# Altium PCB BW1097.PcbDoc (part 3 of 7) (continued)
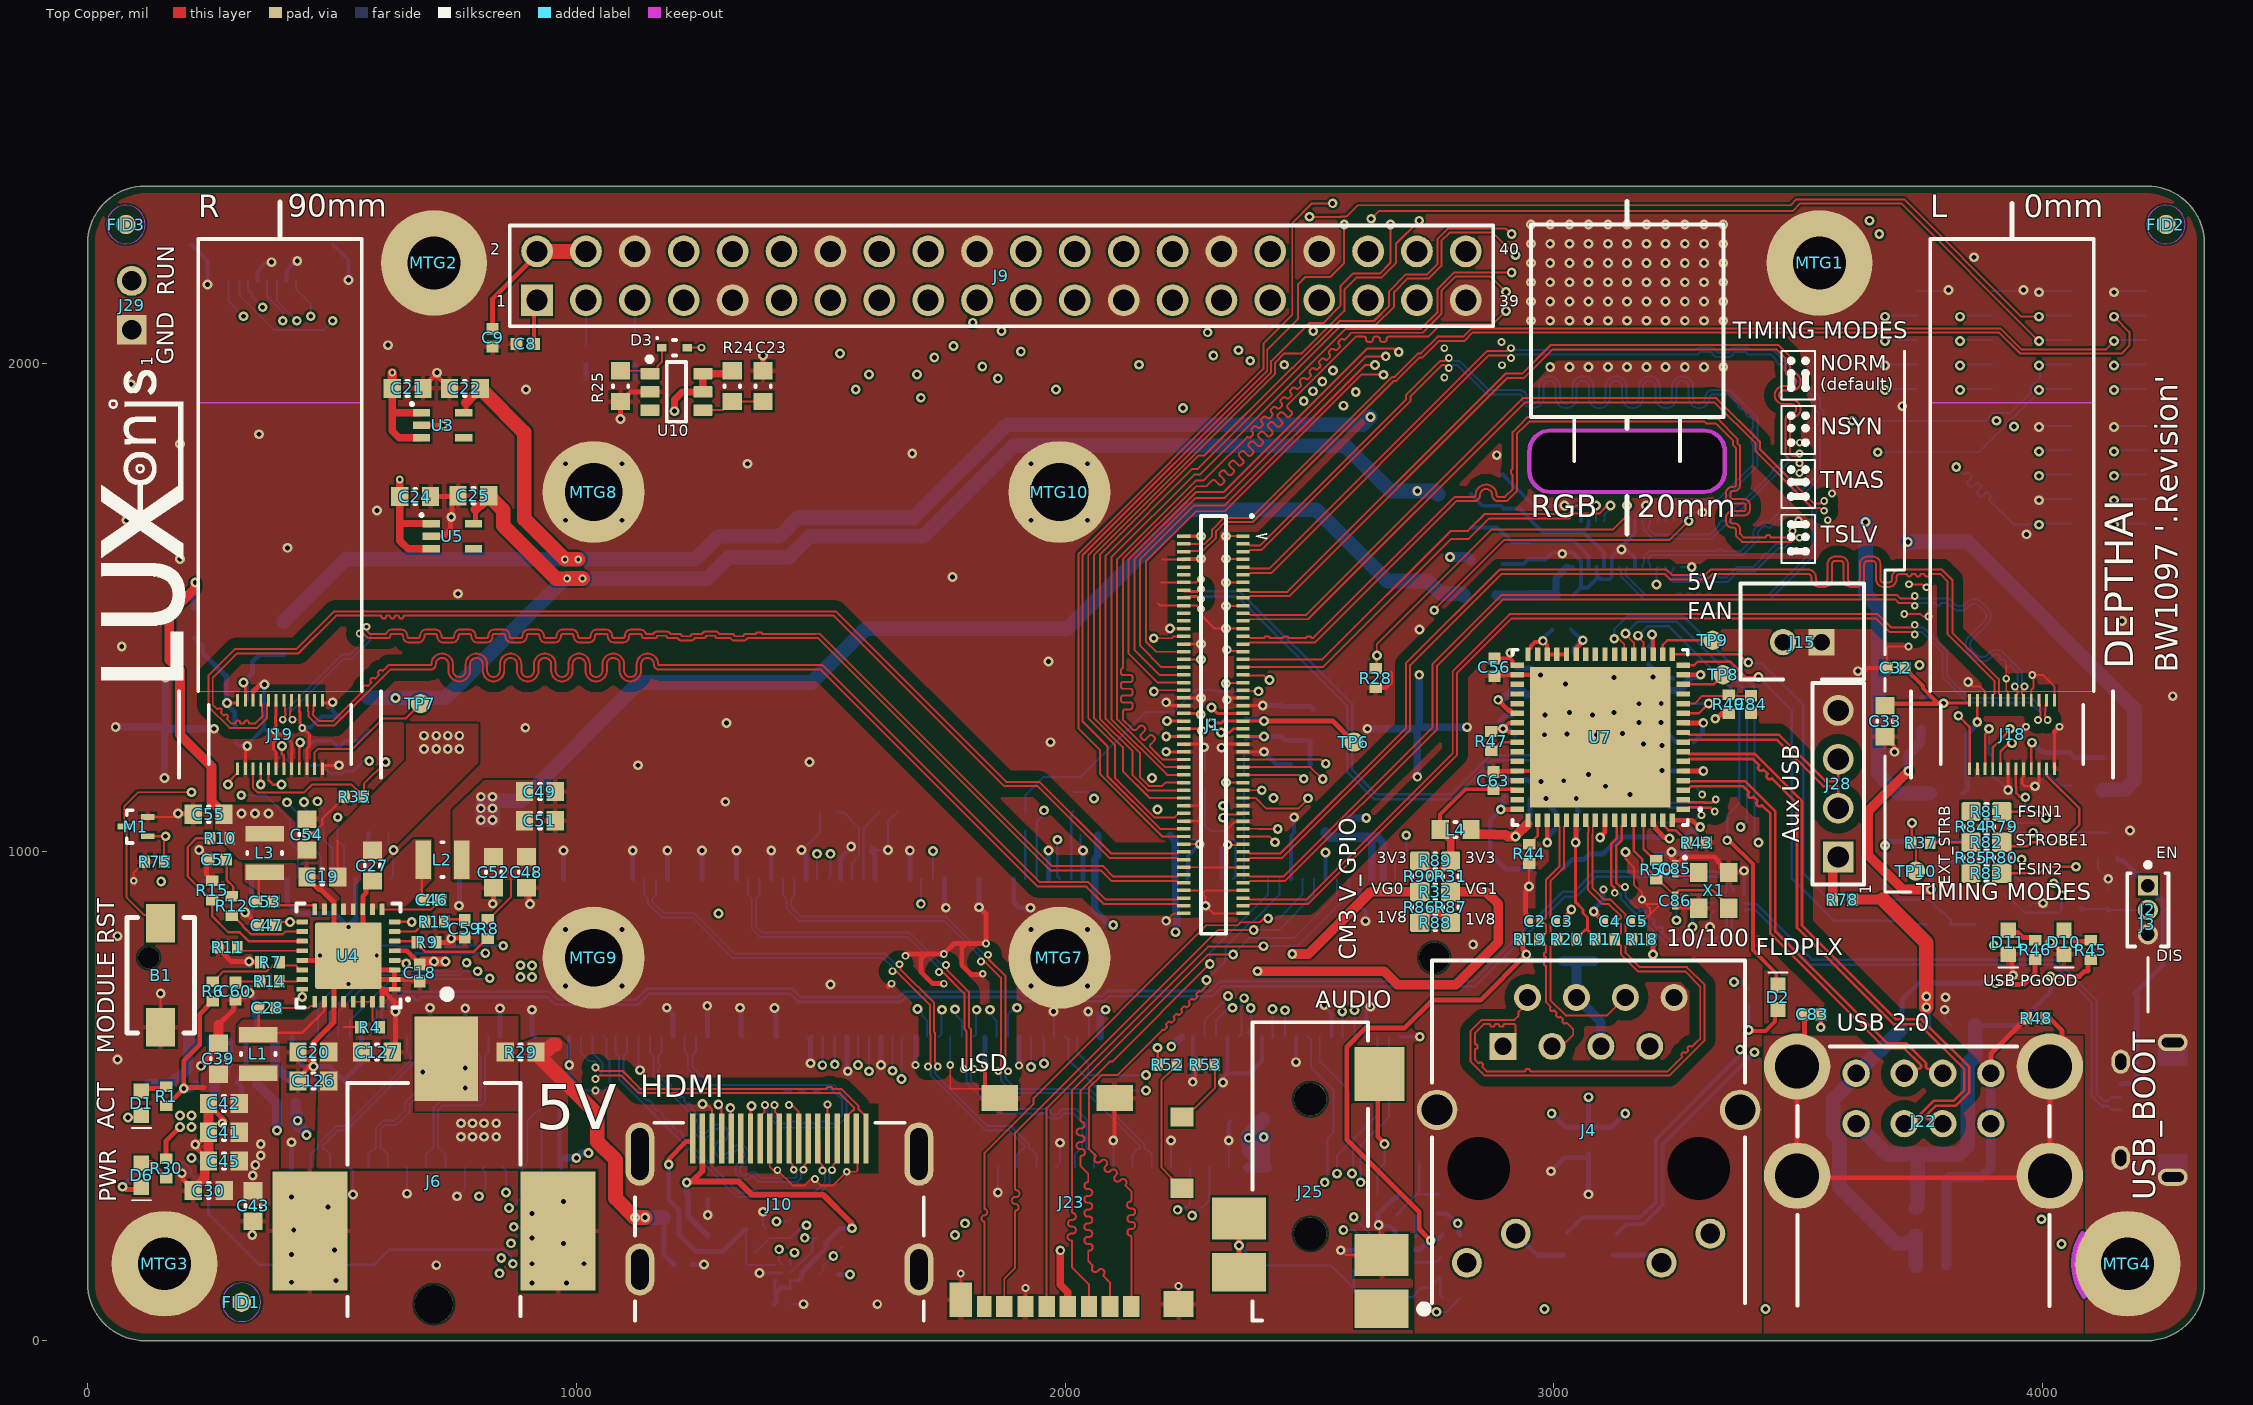
[diagram p0: Top Copper view]
## Nets (pads, with @x,y where several pads share a name; then routed paths per layer and width w, separated by ;. In a path a pad name is that pad's centre, name@x,y a point inside that pad or via, vN(x,y) a via of type N, cw(c..) or ccw(c..) an arc to the next point about the centre after c; other vN are vias at no path point) (continued)
  Top Copper w5: v1(2948.82,929.13) 2948.82,975.8 R44.1@2949.35,976.32
  Top Copper w6: J19.23@322.83,1175.59 v1@322.83,1212.6 ; J19.3@338.58,1304.72 338.58,1328.13 ; v2@383.51,1241.83 384.39,1240.95 384.39,1227.33 380.64,1223.57 380.64,1209.49 385.83,1204.3 J19.19@385.83,1175.59 ; J19.6@385.83,1304.72 385.83,1278.04 384.45,1276.66 384.45,1264.23 385.83,1262.85 385.83,1250.13 v2(383.51,1247.81) 384.39,1246.93 384.39,1241.6 399.17,1241.6 418.01,1222.76 418.01,1201.47 417.32,1200.79 J19.17@417.32,1175.59 ; J19.9@433.07,1310.04 433.07,1287.4 434.6,1285.87 434.6,1262.58 440.56,1256.62 439.26,1255.32 v2(439.26,1253.59) 440.89,1253.59 454.01,1240.47 454.01,1216.06 448.82,1210.87 J19.15@448.82,1175.59 ; J19.13@480.32,1175.59 480.32,1176.69 480.79,1177.17 v1(514.4,1177.17) ; J19.12@480.32,1304.72 v1@500.16,1304.72 ; v1(2206.64,1204.83) 2206.69,1204.77 J1.58@2233.74,1204.77 ; v1(2206.64,1305.89) 2210.43,1305.89 2217.11,1299.21 J1.46@2242.52,1299.21 ; J1.44@2242.52,1315.01 2277.66,1315.01 v1(2277.71,1315.06) ; J1.56@2251.3,1220.47 2274.71,1220.47 2281.22,1213.96 v1(2283.93,1213.96) ; v1(2319.68,1213.26) 2326.9,1220.47 J1.55@2355,1220.47 ; v1(2330.7,1311.02) 2333.41,1311.02 2337.35,1314.96 J1.43@2363.78,1314.96 ; J1.57@2364.92,1204.83 v1(2406.64,1204.83) ; J1.45@2364.92,1299.31 2364.95,1299.28 v1(2404.18,1299.24) ; v1(3929.13,1126.58) J18.19@3929.13,1175.59 ; J18.17@3960.63,1175.59 3960.63,1154.53 3957.53,1151.43 3957.53,1140.11 3963.39,1134.25 v1(3984.25,1134.25) 3984.25,1134.61 3992.13,1142.48 J18.15@3992.13,1175.59 ; J18.13@4023.62,1175.59 4023.62,1245.55
  Top Copper w8: v1@500.16,1304.72 v1(501.49,1306.05) ; v2(1835.76,563.79) 1835.76,526.44 1835.91,526.29 1835.91,520.64 J23.12@1841.13,515.42 ; v1(2098.43,409.45) 2098.43,405.34 2101.18,408.1 J23.11@2101.18,496.06 ; J1.8@2241.69,1598.53 2242.21,1599.05 2277.19,1599.05 v1(2277.71,1599.57) ; J1.2@2241.69,1645.77 v1(2277.71,1645.77) ; U7.44@2924.8,1165.57 U7.65@2966.94,1165.57 ; v1(3622.05,1369.67) 3623.58,1371.2 3637.36,1371.2 3642.75,1376.6 C32.1@3681.47,1376.6 ; C33.1@3677.17,1235.66 3696.84,1215.98 v1(3696.84,1204.72)
  Top Copper w10: v1(185.04,1078.74) 214.67,1078.74 C55.2@216.34,1077.07 ; v1(192.91,342.52) 194.83,340.61 194.83,330.76 216.54,309.06 C30.2@216.54,307.09 ; v1@219.78,401.57 224.72,406.52 229.5,406.52 247.44,424.46 C41.2@247.44,426.43 ; v1(220.47,401.57) 222.39,399.66 222.39,394.4 247.44,369.34 C45.2@247.44,367.37 ; v1(228.35,1003.94) 230.39,1003.94 247.83,986.49 C57.2@247.83,984.25 243.58,980 243.58,952.76 R15.1@255.39,940.94 ; v1(232.28,562.31) 232.28,564.16 263.51,595.38 263.51,604 C39.2@267.78,608.27 ; C42.2@247.44,485.48 247.44,483.52 262.39,468.57 262.39,468.29 v1@281.31,449.38 ; R11.1@266.92,804.69 266.92,802.72 294.05,775.59 v1(330.71,775.59) ; 267.78,645.83 298.23,676.28 298.23,693.24 C60.2@302.56,697.57 308.26,703.27 322.48,703.27 330.3,711.09 v1(331.34,711.09) ; v1(322.47,876.14) 323.15,876.14 345.08,854.21 C47.2@349.02,854.21 ; v1@322.83,1212.6 v1(326.77,1216.53) ; v1@335.27,774.97 353.12,774.97 R7.1@353.74,774.34 ; v1(336.89,216.2) 336.89,242.41 C43.2@338.58,244.09 ; 338.58,1328.13 352.97,1342.52 v1(362.2,1342.52) ; C126.2@430.54,531.5 430.54,533.46 443.26,546.18 443.26,550.47 462.04,569.25 462.04,609.13 504.15,651.24 U4.27@504.15,693.39 504.15,758.35 U4.33@523.83,778.03 ; C20.2@430.54,590.5 430.54,588.53 443.26,575.81 452.22,575.81 v1@467.04,561 ; U4.21@439.19,778.03 U4.33@523.83,778.03 ; C19.2@448.82,948.82 448.82,946.85 473.22,922.45 478.11,922.45 504.15,896.41 U4.14@504.15,882.37 504.15,817.4 U4.33@533.67,787.88 ; v1(448.82,1035.65) 448.82,1064.97 447.84,1065.95 C54.2@448.82,1066.93 ; v1(462.04,560.97) v1@467.02,560.97 ; C27.2@582.89,940.55 582.14,940.55 569.42,927.83 569.42,915.4 563.2,909.18 U4.11@563.2,882.37 563.2,833.32 533.67,803.79 U4.33@533.67,787.88 ; U4.32@602.57,693.39 602.57,718.98 ; C127.2@623.56,590.5 629.96,596.9 629.92,596.94 v1(629.92,673.23) 628.77,674.38 628.77,692.78 602.57,718.98 ; U3.2@679.4,1872.81 701.35,1872.81 v1(726.64,1872.81) ; C18.2@679.66,734.61 675.61,738.66 U4.2@628.16,738.66 ; C21.1@686.29,1948.13 686.29,1950.1 714.75,1978.57 v1(714.75,1980.32) 714.75,1973.8 C22.1@740.42,1948.13 ; U5.2@699.01,1645.67 728.19,1645.67 742.18,1659.66 742.18,1683.13 745.35,1686.29 745.35,1715.63 C25.1@758.06,1728.35 ; C24.1@701.77,1727.01 C25.1@756.73,1727.01 ; R9.1@713.45,814.84 739.61,814.84 744.09,819.32 v1(744.09,822.83) 745.08,823.82 770.67,823.82 C59.2@771.65,824.8 ; v1(828.9,894) 828.9,895.63 830.57,897.29 830.57,926.63 C52.2@830.71,926.77 ; C48.2@897.8,926.77 903,921.57 903,897.29 905.28,895.02 v1(905.28,893.39) ; J6.3@973.56,129.92 J6.3@1020.8,177.17 ; J6.3@973.56,192.72 J6.3@977.3,188.98 ; v1(1090.55,1885.83) R25.1@1090.55,1921.26 1092.52,1921.26 1105.24,1933.98 1105.24,1935.09 1111.09,1940.94 U10.2@1150.59,1940.94 ; C23.1@1381.89,1984.25 v1(1381.89,2015.74) ; 1637.2,724.41 1642,729.22 1643.63,729.22 v2(1644.78,730.36) ; v2(1673.23,787.4) 1674.85,787.4 1678.79,791.34 1715.27,791.34 ; v2(1751.75,730.36) 1729.46,730.36 1704.72,755.11 1704.72,780.79 1715.27,791.34 ; v1(1823.95,886.63) 1837.74,872.84 v2(1837.74,812.48) 1797.52,812.48 ; v2(1831.43,750.61) 1830.28,749.46 1807.38,749.46 1788.52,768.32 1788.52,803.48 1797.52,812.48 ; v1(2404.18,1299.24) v1(2404.18,1299.24) ; R28.2@2635.42,1335.85 2655.55,1335.85 2665.35,1345.64 2665.35,1366.14 ; C63.1@2875.99,1163.61 2877.44,1165.06 2924.29,1165.06 U7.44@2924.8,1165.57 ; C56.2@2877.95,1360.24 2880.14,1362.42 U7.34@2924.8,1362.42 2970.14,1362.42 2970.36,1362.2 v1(2972.44,1362.2) ; v1(2948.82,929.13) 2948.82,926.42 2941.94,919.54 2941.94,873.61 2947.52,868.03 2947.52,859.57 2948.82,858.27 C2.1@2949.61,858.27 ; C3.1@3026.77,858.27 3027.56,858.27 3028.86,859.57 3028.86,872.61 3035.43,879.18 v1(3035.43,881.89) ; v1(3081.42,878.03) C4.1@3101.18,858.27 ; v1(3240.16,1000) 3245.37,1000 3245.42,999.95 3240.16,994.68 3240.16,987.4 3248.03,979.53 C85.1@3248.03,978.74 ; C86.1@3248.03,889.37 3248.03,887.4 3299.11,887.4 X1.2@3300.75,885.76 ; C85.1@3251.3,975.58 3265.81,990.09 3327.75,990.09 3335.71,982.14 3335.71,979.25 3340.61,974.35 3340.61,967.95 X1.4@3351.93,956.63 ; v1(3545.76,641.32) C83.1@3545.76,667.53 ; J22.4@3893.7,547.24 3893.7,586.75 3958.98,652.03 3960.95,652.03 3966.78,657.85 R48.1@3966.78,659.82 ; D11.1@3929.13,785.43 3937.48,777.08 3937.48,749.45 v1(3939.4,747.54) ; v1(4015.74,815.21) 4017.65,813.3 4020.37,813.3 D10.1@4043.31,790.35 ; 4023.62,1245.55 v2(4034.03,1255.96) ; U4.33@523.83,778.03 U4.33@533.67,787.88 ; U4.33@533.67,787.88 U4.33@563.2,758.35 ; U4.33@563.2,758.35 U4.33@582.89,738.66 ; U4.33@563.2,758.35 U4.3@628.16,758.35 U4.2@628.16,738.66 ; U4.33@582.89,738.66 602.57,718.98 ; U4.33@582.89,738.66 U4.2@628.16,738.66 ; 602.57,718.98 U4.1@628.16,718.98 U4.2@628.16,738.66 ; 1715.27,791.34 v2(1751.75,791.34) 1772.89,812.48 1797.52,812.48
  Top Copper w20: C30.2@216.54,309.06 239.72,332.24 239.72,359.66 C45.2@247.44,367.37 ; C45.2@247.44,369.34 C41.2@247.44,426.43 C42.2@247.44,483.52 ; C39.2@267.78,608.27 267.78,645.83
  Signal Layer 1 w4: v1(1623.16,563.79) 1640.9,581.53 1659.95,581.53 1677.69,563.79 v2(1694.03,563.79) ; v2(2775.59,1970.76) 2749.91,1970.76 2742.65,1978.01 2742.65,2014.42 2758.65,2030.42 v2(2775.59,2030.42) ; v2(2892.43,2043.14) 2877.79,2043.14 2870.08,2035.43 2870.08,2005.92 2880.33,1995.67 v2(2893.7,1995.67) ; v2(3495.49,1615.95) 3495.49,1615.04 3514.38,1596.15 3517.7,1596.15 3550.03,1628.48 3550.03,1640.5 3512.14,1678.39 3504.14,1678.39 3500.49,1682.05 v2(3500.49,1677.84) ; v2(3502.33,1774.89) 3521.32,1755.91 3531.5,1755.91 3544.42,1768.83 3544.42,1833.54 3524.08,1853.88 3505.13,1853.88 3502.78,1851.53 v2(3502.78,1837.14) ; v2(3559.99,1678.59) 3573.22,1665.35 3588.21,1665.35 3590.55,1667.7 3590.55,1724.41 3579.69,1735.27 3571.1,1735.27 v2(3568.99,1733.15) ; v2(3925.19,1354.33) 3925.39,1354.53 3925.39,1363.58 3927.73,1365.93 3970.75,1365.93 3975.06,1361.61 v2(3978.31,1361.61) ; 3704.52,1422.62 3704.52,1474.55 v2(3716.53,1486.56) 3704.52,1498.57 3704.52,1542.46 3709.53,1547.46 v2(3726,1547.46) 3728.29,1549.76 3728.98,1549.76 3734.34,1555.12 3748.15,1555.12 v2(3761.93,1541.34) 3761.93,1538.09 3766.2,1533.83 v2(3766.2,1481.67) 3766.2,1424.82 3748.54,1407.15 3727.17,1407.15 3725.54,1408.79 3725.54,1419.98 v2(3725.23,1420.28) 3706.86,1420.28 3704.52,1422.62
  Signal Layer 2 w4: 2745.94,1988.12 2745.94,2011.44 2764.35,2029.85 2775.03,2029.85 v2(2775.59,2030.42) 2801.29,2030.42 2819.47,2012.23 2819.47,1984.17 2811.94,1976.63 2791.1,1976.63 2790.64,1976.17 2789.49,1976.17 2783.25,1969.93 2776.42,1969.93 v2(2775.59,1970.76) 2763.3,1970.76 2745.94,1988.12 ; 2876.79,2011.84 2876.79,2027.5 v2(2892.43,2043.14) 2905.41,2056.12 2929.76,2056.12 2942.02,2043.86 2942.02,2001.17 2928.97,1988.12 2902.04,1988.12 2894.5,1995.67 v2(2893.7,1995.67) 2892.96,1995.67 2876.79,2011.84
  Bottom Copper w4: J14.P12@535.43,354.33 543.31,346.46 v1(543.31,299.21) v1@545.6,296.92 ; R64.1@615.9,1038.1 615.9,1014.47 625.98,1004.39 v1(625.98,1003.94) 624.71,1002.66 624.71,950.2 J24.164@619.23,944.72 ; v1(653.54,300.77) J14.P9@653.54,354.33 ; v1(755.91,295.61) 771.65,311.36 J14.P6@771.65,354.33 ; J24.140@902.69,944.72 905.28,942.14 v1(905.28,893.39) ; v1(985.37,563.79) 985.37,543.7 1017.25,511.82 v2(1039.37,511.82) 1057.35,511.82 1068.05,522.51 1068.05,572.62 1061.67,579 1061.67,616.46 J24.127@1056.23,621.89 ; J24.121@1127.1,621.89 1127.1,556.77 v1(1130.46,553.41) ; v1(1381.89,263.78) 1381.89,234.78 Q4.2@1386.55,230.12 ; C11.1@1439.7,74.8 v1(1464.57,74.8) ; v1@1460.63,1002.31 1498.75,1040.44 R61.1@1498.75,1081.69 ; v1@1552.82,1011.88 1554.79,1011.88 1557.39,1009.27 v1@1557.39,1006.23 ; 1602.36,1014.04 1612.46,1003.94 v1(1637.79,1003.94) 1637.79,1063.25 1647.41,1072.87 1649.38,1072.87 1656.23,1079.72 R62.1@1656.23,1081.69 ; v2(1764.9,563.79) J24.67@1764.9,621.89 ; v1(1862.2,303.15) J13.P15@1862.2,354.33 ; v1(1976.38,673.23) 1976.38,674.93 1977.49,676.04 J24.49@1977.49,621.89 ; J13.P12@1980.31,354.33 1989.31,363.33 v1(1989.31,404.92) ; C7.1@2031.51,1034.65 2031.51,1011.11 2036.55,1006.07 v1(2036.55,1002.82) ; v1(2047.24,673.23) 2047.24,674.93 2048.36,676.04 J24.43@2048.36,621.89 ; J13.P9@2098.43,354.33 v1(2098.43,409.45) ; J13.P6@2216.54,354.33 v1(2216.54,409.45) ; C6.1@2250,1034.08 2258.32,1025.75 2265.45,1025.75 v1(2275.35,1015.85) ; R59.1@2285.69,1164.67 v1@2285.69,1209.17 ; v1(2319.68,1213.26) 2322.17,1213.26 2327.94,1219.02 2327.94,1207.5 ; J13.P3@2334.65,354.33 v1(2334.65,409.45) ; C87.1@2334.65,445.77 C87.1@2341.54,452.66 ; R60.1@2366.14,1155.51 2366.14,1198.94 2368.49,1201.29 2396.3,1201.29 2396.78,1201.76 2403.58,1201.76 v1(2406.64,1204.83) ; J24.MP1@2720.47,1254.63 J24.MP1@2721.59,1255.75 ; R70.1@2728.35,66.93 2736.22,59.06 v1(2759.84,59.06) 2780.21,59.06 C94.1@2807.77,86.61 ; J11.24@3165.35,1677.17 3165.35,1690.78 3183.23,1708.66 v1(3188.37,1708.66) ; 3199.08,1059.64 3282.85,1059.64 3294.1,1070.89 3294.18,1070.89 3298.42,1075.13 v2(3301.66,1075.13) ; v1(3209.95,1546.85) 3209.95,1580.03 J11.4@3212.6,1582.68 ; J11.29@3244.09,1677.17 3244.09,1693.7 3245.08,1694.69 v1(3303.63,1694.69) ; J11.1@3259.84,1582.68 v1(3281.89,1582.68) ; 3288.91,1133.66 3303.15,1119.42 v2(3303.15,1117.68) ; v1(3318.9,846.46) 3318.9,870.59 U6.8@3328.38,880.07 ; v1(3677.17,1994.88) 3679.53,1997.24 J7.3@3742.13,1997.24 ; J7.9@3742.13,2147.24 3804.72,2147.24 v1(3807.09,2149.61) ; v1(3800.84,702.54) 3800.02,701.72 3800.02,677.98 v1(3799.2,677.16) 3799.2,657.44 U8.6@3811.66,644.98 ; R33.2@3893.7,1158.09 3902.53,1149.27 3906.44,1149.27 v1(3929.13,1126.58) ; J7.10@3895.67,2147.24 3958.27,2147.24 v1(3960.63,2149.61) ; Q2.2@3972.05,891.72 3974,889.76 3979.19,894.95 v1(4000.59,894.95) 3994.42,894.95 v1@3992.12,892.64 ; v1(3984.25,1134.25) 4001.92,1151.92 4001.92,1166.35 C34.1@4003.36,1167.79 4035.25,1135.9 C35.1@4058.84,1135.9 ; v1(3992.13,1719.29) 3994.49,1721.65 J8.3@4057.09,1721.65 ; v1(3992.13,1869.29) 3994.49,1871.65 J8.9@4057.09,1871.65 ; v1(3992.13,2144.88) 3994.49,2147.24 J5.9@4057.09,2147.24 ; Q6.2@4113.27,987.4 4113.27,964.11 4132.5,944.88 v1(4133.85,944.88) 4133.85,923.12 R2.1@4132.95,922.23 ; v1(4145.67,1869.29) 4148.03,1871.65 J8.10@4210.63,1871.65 ; v1(4145.67,2144.88) 4148.03,2147.24 J5.10@4210.63,2147.24 ; v1@2285.69,1209.17 2295.27,1218.75 2292.44,1221.58 2284.83,1213.96 v1(2283.93,1213.96) 2285.69,1212.2 v1@2285.69,1209.17
  Bottom Copper w6: v1(1374.74,138.78) U2.B2@1421.98,138.78 ; U6.3@3388.89,911.57 v1(3388.89,961.33)
  Bottom Copper w8: J12.MP1@212.79,2241.99 245.42,2209.36 v1(245.42,2160.83) ; C38.1@302.55,1223.58 309.6,1216.53 321.45,1216.53 v1@322.83,1215.15 ; v1(326.77,1216.53) 326.77,1219.08 360.96,1253.27 ; J12.4@347.83,2168.76 347.83,2186.47 353.61,2192.25 353.61,2195.69 361.76,2203.85 378,2203.85 375.47,2206.38 v1(376.34,2206.38) ; v1(362.2,1342.52) 360.96,1341.27 360.96,1253.27 ; v2(383.51,1247.81) 366.42,1247.81 360.96,1253.27 ; J12.7@406.88,2168.76 406.88,2186.47 412.66,2192.25 412.66,2195.69 420.82,2203.85 424.32,2203.85 v1(429.13,2208.66) v1@434.22,2208.66 ; v2(439.26,1253.59) 440.32,1254.64 456.36,1254.64 478.35,1276.63 C50.1@514.4,1276.63 501.49,1289.53 v1(501.49,1306.05) ; J12.MP2@502.55,2241.99 534.08,2210.46 v1(534.08,2169.96) ; v1(985.37,563.79) J24.133@985.37,621.89 ; J24.38@2249.15,944.72 2251.09,946.66 2251.09,991.59 v1(2275.35,1015.85) ; v1(2260.96,529.56) J24.37@2260.96,621.89 ; J24.32@2320.01,944.72 2320.01,1006.97 2327.56,1014.52 v1(2332.46,1014.52) ; v1(2322.83,528.26) 2324.36,529.79 2324.36,539.74 2328.93,544.3 2328.93,546.47 ; J24.31@2331.82,621.89 2331.82,549.37 2328.93,546.47 ; J24.25@2402.69,621.89 2402.69,571.98 2377.18,546.47 2328.93,546.47 ; J24.20@2461.75,944.72 2461.75,1032.6 C88.1@2469.62,1040.47 2468.5,1041.59 v1(2468.5,1070.86) 2470.66,1070.86 v1@2472.8,1068.72 ; v1(2472.44,569.8) 2472.44,620.77 J24.19@2473.56,621.89 ; v1(2530.08,686.69) 2530.08,683.92 2544.42,669.58 J24.13@2544.42,621.89 ; J24.14@2532.61,944.72 v1(2532.61,998.49) ; J24.8@2603.48,944.72 2603.48,888.65 2614.17,877.96 v1(2614.17,858.27) v1@2612.54,858.27 ; J24.7@2615.29,621.89 2615.29,673.66 v1(2624.8,683.17) ; J24.1@2686.16,621.89 v1(2725.31,621.89) ; C17.1@2893.7,1771.65 2895.67,1771.65 2909.39,1757.94 2909.39,1757.88 C16.1@2949.35,1717.92 2957.55,1709.71 2961.19,1709.71 2962.24,1708.66 v1(3021.45,1708.66) 3046.25,1708.66 3055.12,1699.8 J11.17@3055.12,1677.17 ; C15.1@2894.16,1589.32 2938.15,1589.32 C14.1@2947.05,1598.23 2982.97,1598.23 2996.95,1612.22 3037.92,1612.22 3055.12,1595.02 J11.14@3055.12,1582.68 3055.12,1541.12 ; v1(3023.46,1343.72) 3039.02,1359.28 3039.02,1372.04 C58.1@3039.62,1372.64 ; C12.1@3039.42,1525.42 3055.12,1541.12 ; J11.12@3086.61,1582.68 3086.61,1566.4 3090.9,1562.12 ; J11.7@3165.35,1582.68 3165.35,1600.98 3145.52,1620.82 3133.96,1620.82 v1@3133.86,1620.93 ; J11.24@3165.35,1677.17 3165.35,1652.42 v1@3133.86,1620.93 ; 3055.12,1541.12 3069.91,1541.12 3090.9,1562.12 ; 3090.9,1562.12 3095.19,1557.83 3113.78,1557.83 3118.11,1562.16 J11.10@3118.11,1582.68 3118.11,1604.13 3133.86,1619.88 v1@3133.86,1620.93
  Bottom Copper w10: v1(228.35,1003.94) 230.39,1003.94 240.91,993.41 240.91,945.08 J24.196@241.27,944.72 ; v1(232.28,562.31) 232.28,562.79 250.6,581.11 250.6,619.41 J24.195@253.08,621.89 ; v1(322.47,876.14) 322.47,875.87 327.52,870.82 335.76,879.07 J24.188@335.76,944.72 ; v1(331.34,711.09) 340.43,702 340.43,663.94 345.09,659.27 345.09,624.37 J24.187@347.57,621.89 ; J24.182@406.63,944.72 407.96,943.39 407.96,897 430.95,874.01 505.61,874.01 U4.33@533.67,845.95 ; J14.P15@417.32,354.33 v1(417.32,406.04) ; J24.181@418.44,621.89 418.44,589.01 425.58,581.87 425.58,577.81 442.39,561 495.71,561 C89.2@524.38,532.32 ; C89.2@537.02,517.72 537.02,519.69 C89.2@524.38,532.32 ; 548.36,860.63 J24.170@548.36,944.72 ; J24.169@560.17,621.89 560.17,568.11 C89.2@524.38,532.32 ; v1(629.92,673.23) 629.92,623.01 629.96,622.96 J24.163@631.04,621.89 ; v1(700.79,681.1) 700.79,623.01 J24.157@701.88,621.91 ; v1(759.84,889.76) 760.96,890.88 J24.152@760.96,944.72 ; J24.151@772.77,621.89 v1(772.77,679.98) ; v1(828.9,894) 831.82,896.92 J24.146@831.82,944.72 ; J24.145@843.64,621.89 v1(843.64,679.98) ; v1(909.45,677.16) 909.45,626.94 J24.139@914.5,621.89 ; J24.134@973.56,944.72 v1(973.56,1002.82) ; J24.122@1115.29,944.72 v1(1115.29,1002.82) ; v1(1185.04,681.1) 1197.97,668.17 J24.115@1197.97,621.89 ; J24.116@1186.16,944.72 v1(1186.16,1002.82) ; C10.1@1234.97,155.91 v1(1261.35,155.91) ; J24.110@1257.02,944.72 v1(1257.02,1002.82) ; v1(1267.71,685.04) 1268.27,684.48 1268.27,622.45 J24.109@1268.83,621.89 ; v1(1268.83,257.28) U1.1@1268.83,289.37 ; J24.104@1327.89,944.72 v1(1327.89,1002.82) ; v1(1334.64,681.1) 1334.64,679.48 1337.22,676.9 1337.22,624.37 J24.103@1339.7,621.89 ; J24.98@1398.75,944.72 v1(1398.75,1002.82) ; v1(1405.51,680.85) 1405.51,678.14 1408.08,675.57 1408.08,624.37 J24.97@1410.56,621.89 ; v1(1460.63,1003.94) 1460.63,1002.31 1469.62,993.32 J24.92@1469.62,944.72 ; v1(1479.19,567.52) 1479.19,615.47 1477.1,617.56 J24.91@1481.43,621.89 ; J24.86@1540.49,944.72 1540.49,987.68 1562.18,1009.37 v1(1562.18,1011.01) ; J24.85@1552.3,621.89 1553.97,620.22 1553.97,552.33 v1(1555.11,551.18) ; J24.80@1611.35,944.72 1611.35,993.32 1602.36,1002.31 1603.98,1003.94 1612.46,1003.94 ; v1(1623.16,563.79) J24.79@1623.16,621.89 ; J24.74@1682.22,944.72 v1(1682.22,1002.82) ; v2(1694.03,563.79) J24.73@1694.03,621.89 ; J24.68@1753.08,944.72 1753.08,888.64 v1(1755.9,885.83) ; v1(1823.95,886.63) J24.62@1823.95,944.72 ; v2(1835.76,563.79) J24.61@1835.76,621.89 ; J24.56@1894.82,944.72 1894.82,896.52 1905.51,885.83 v1(1929.13,885.83) ; v2(1905.51,562.99) 1905.51,620.77 J24.55@1906.63,621.89 ; J24.50@1965.68,944.72 v1(1965.68,1002.82) ; J24.44@2036.55,944.72 v1(2036.55,1002.82) ; v1(2334.65,409.45) C87.1@2334.65,445.77 ; v1(2404.18,1299.24) 2442.96,1299.24 2442.96,1297.2 2502.02,1297.2 C77.1@2507.87,1291.34 ; v1(2406.64,1204.83) 2432.4,1179.07 R42.1@2460.76,1179.07 ; v1(2563.71,185.04) R69.1@2590.55,185.04 R69.1@2591.75,186.23 ; U9.2@2641.27,186.23 2667.24,186.23 2675.87,194.86 2675.87,223.62 2665.38,234.11 2643.68,234.11 v1(2641.27,236.51) 2640.13,237.66 2640.13,258.63 R73.1@2638.91,259.84 2640.88,259.84 2673.05,292.01 2675.87,292.01 C97.1@2683.07,299.21 ; R72.1@2763.78,259.84 2780.23,259.82 2799.9,240.16 v1(2803.14,240.16) 2805.06,238.24 2805.06,219.25 C95.1@2807.77,216.54 ; C75.1@2901.75,1150.22 2905.02,1146.95 2947.52,1146.95 C71.1@2950.79,1143.68 2951.08,1143.97 v1@2973.49,1143.97 ; C73.1@2923.46,1376.38 2955.56,1376.38 2969.74,1362.2 v1(2972.44,1362.2) ; C62.1@2956.1,1238.8 2956.54,1239.24 2979.96,1239.24 v1(2980.4,1239.67) ; C64.1@2956.44,1286 2960.31,1282.13 2979.67,1282.13 v1(2981.58,1280.22) ; v1(2983.38,1109.36) 2985.3,1107.44 2985.3,1098.49 C70.1@3002.07,1081.72 ; v1(2995.24,464.76) 3022.8,437.2 R22.1@3070.87,437.2 3118.31,437.2 v1(3145.87,464.76) ; v1(3045.63,1109.36) 3047.55,1107.44 3047.55,1085.25 C69.1@3050.51,1082.29 ; R22.1@3070.87,430.81 v1(3070.87,498.23) ; v1(3081.42,878.03) 3081.42,880.74 3085.48,884.8 3085.48,886.03 3100.12,900.67 3100.12,922.06 v2(3101.26,923.21) ; C65.1@3105.09,1108.49 3105.15,1108.54 v1(3105.2,1134.38) v1(3105.2,1134.38) ; C61.1@3192.91,1383.86 3200.12,1376.65 3200.12,1362.78 3202.41,1360.49 v1(3202.41,1357.78) 3204.14,1356.06 3240.4,1356.06 C74.1@3242.13,1354.33 ; C76.1@3208.27,995.08 3238.27,995.08 v1@3245.42,1002.23 ; v1(3218.98,1264.87) 3220.89,1262.96 3220.89,1254.23 C68.1@3250.49,1224.63 ; v1(3221.31,1166.22) 3221.64,1165.9 3246.13,1165.9 C66.1@3246.46,1165.57 ; v1(3240.16,1000) 3243.19,1000 v1@3245.42,1002.23 ; C67.1@3271.22,1000.59 3267.2,996.57 3239.76,996.57 v1@3245.42,1002.23
  Bottom Copper w15: v1(57.51,1255.75) J24.MP2@158.6,1255.75 159.9,1257.05 v1(159.9,1356.83) ; v1(157.48,1150.88) 157.48,1251.97 v1(258.56,1251.97) ; U4.33@533.67,845.95 548.36,860.63 ; v1(2618.11,1251.97) 2717.81,1251.97 J24.MP1@2720.47,1254.63 ; v1(2720.47,1153.54) J24.MP1@2720.47,1254.63 ; J24.MP1@2721.03,1255.19 v1(2822.11,1255.19) ; v1(2724.41,1362.2) 2724.41,1258.57 J24.MP1@2720.47,1254.63
  Bottom Copper w20: C79.2@3803.15,153.54 C80.2@3803.15,212.6 C81.2@3803.15,271.65 C82.2@3803.15,330.71 3807.09,334.65 3873.94,334.65 3893.7,354.41 J22.8@3893.7,444.09 J22.4@3893.7,547.24
  other v1: 2980.84,64.96 3432.57,64.96 1615.68,74.8 909.45,118.11 979.79,118.11 417.32,119.55 508.6,123.03 713.57,154.53 909.45,157.48 1015.75,157.48 417.32,176.42 505.45,185.79 973.56,198.62 909.45,210.43 421.85,226.38 3997.58,248.37 909.45,260.09 491.74,273.62 973.56,284.41 417.32,294.15 275.59,444.88 61.13,575.25 1519.69,728.44 2834.65,810.31 61.13,827.63 4178.15,1043.7 1304.73,1102.47 3155.84,1117.79 2973.54,1144.26 3019.94,1145.49 3070.22,1158.46 1125.98,1177.16 1477.1,1183.68 3221.31,1217.63 3183.43,1220.85 1970.01,1224.41 3086.61,1239.54 3026.96,1240.85 3140.35,1242.02 895.67,1253.91 1307.08,1263.78 3173.77,1264.87 3078.63,1280.22 3031.82,1285.16 3122.44,1285.16 3173.94,1302.98 3219.42,1303.37 4265.75,1318.52 3122.6,1356.91 1965.68,1389.37 70.01,1420.22 2724.84,1454.97 4162.25,1472.61 758.06,1528.16 1769.23,1562.6 188.98,1599.05 3016.86,1609.94 3138.07,1618.6 409,1622.05 3966.78,1649.68 79.44,1678.45 744.09,1685.04 592.31,1698.64 1349.9,1793.99 2882.89,1811.54 1687.2,1814.96 188.98,1834.65 350.71,1854.33 3712.34,1911.77 896.72,1945.82 89.09,1956.69 2992.13,1992.13 3031.5,1992.13 3070.87,1992.13 3110.24,1992.13 3149.61,1992.13 3188.98,1992.13 3228.35,1992.13 3267.72,1992.13 3307.09,1992.13 3346.46,1992.13 614.84,2036.61 2952.76,2086.61 2992.13,2086.61 3031.5,2086.61 3070.87,2086.61 3110.24,2086.61 3149.61,2086.61 3188.98,2086.61 3228.35,2086.61 3267.72,2086.61 3307.09,2086.61 3346.46,2086.61 2952.76,2125.98 2992.13,2125.98 3031.5,2125.98 3070.87,2125.98 3110.24,2125.98 3149.61,2125.98 3188.98,2125.98 3228.35,2125.98 3267.72,2125.98 3307.09,2125.98 3346.46,2125.98 2952.76,2165.35 2992.13,2165.35 3031.5,2165.35 3070.87,2165.35 3110.24,2165.35 3149.61,2165.35 3188.98,2165.35 3228.35,2165.35 3267.72,2165.35 3307.09,2165.35 3346.46,2165.35 2952.76,2204.72 2992.13,2204.72 3031.5,2204.72 3070.87,2204.72 3110.24,2204.72 3149.61,2204.72 3188.98,2204.72 3228.35,2204.72 3267.72,2204.72 3307.09,2204.72 3346.46,2204.72 3859.08,2216.54 2952.76,2244.09 2992.13,2244.09 3031.5,2244.09 3070.87,2244.09 3110.24,2244.09 3149.61,2244.09 3188.98,2244.09 3228.35,2244.09 3267.72,2244.09 3307.09,2244.09 3346.46,2244.09 2952.76,2283.46 2992.13,2283.46 3031.5,2283.46 3070.87,2283.46 3110.24,2283.46 3149.61,2283.46 3188.98,2283.46 3228.35,2283.46 3267.72,2283.46 3307.09,2283.46 3346.46,2283.46
  other v2: 3965.54,1255.96
  other v3: 977.67,725.7 1093.2,725.7 1930.42,725.7 2045.95,725.7 977.67,841.23 1093.2,841.23 1930.42,841.23 2045.95,841.23 977.67,1678.45 1093.2,1678.45 1930.42,1678.45 2045.95,1678.45 977.67,1793.99 1093.2,1793.99 1930.42,1793.99 2045.95,1793.99
GPIO0-27_VREF: C6.2 J24.39 J24.40 R32.2 R86.2 R90.1 | length 1466.4
  Top Copper w20: v1(2464.57,791.34) 2497.99,791.34 2625.07,918.42 R90.1@2725.53,918.42
  Signal Layer 2 w15: v1(2217.14,601.7) 2416.66,601.7 2472.44,657.48 2472.44,728.35 2464.57,736.22 v1(2464.57,791.34) 2424.42,791.34 2415.93,782.85 2378.57,782.85 2365.14,796.28 2365.14,799.21 2341.51,822.83 2238.45,822.83 v1(2225.53,835.76)
  Signal Layer 3 w15: v1(2217.14,601.7) 2217.14,601.97 2225.53,610.35 v1(2225.53,835.76)
  Bottom Copper w15: C6.2@2214.56,1034.08 2225.53,1023.11 J24.40@2225.53,944.72 ; v1(2217.14,601.7) J24.39@2237.34,621.89 ; v1(2225.53,835.76) 2225.72,835.95 2225.72,847.66 2228.14,850.08 2228.14,879.27 2225.55,881.87 J24.40@2225.53,944.72
GPIO2/SDA1: J9.3 J24.9 R54.1 | length 3127.8
  Signal Layer 2 w4: J9.3@1019.68,2128.35 1264.21,1883.82 2562.93,1883.82 2591.67,1912.56 2591.67,1938.13 v1(2594.48,1940.94)
  Signal Layer 3 w4: v1(2591.67,676.05) 2591.67,1936.88 2594.48,1939.7 v1(2594.48,1940.94)
  Bottom Copper w4: R54.1@1019.68,2035.43 J9.3@1019.68,2128.35 ; J24.9@2591.67,621.89 v1(2591.67,676.05)
GPIO3/SCL1: J9.5 J24.11 R55.1 | length 2940.7
  Signal Layer 2 w4: J9.5@1119.68,2128.35 1356.21,1891.82 2548.3,1891.82 v1(2569.35,1912.87)
  Signal Layer 3 w4: v1@2568.14,674.44 v1@2568.14,1911.66
  Signal Layer 3 w5: v1(2566.92,673.23) v1@2568.14,674.44 ; v1@2568.14,1911.66 v1(2569.35,1912.87)
  Bottom Copper w4: R55.1@1119.68,2036.42 J9.5@1119.68,2128.35 ; v1(2566.92,673.23) 2566.92,623.01 J24.11@2568.05,621.89